# KiCad board 4servoboard-4x4.kicad_pcb (continued)
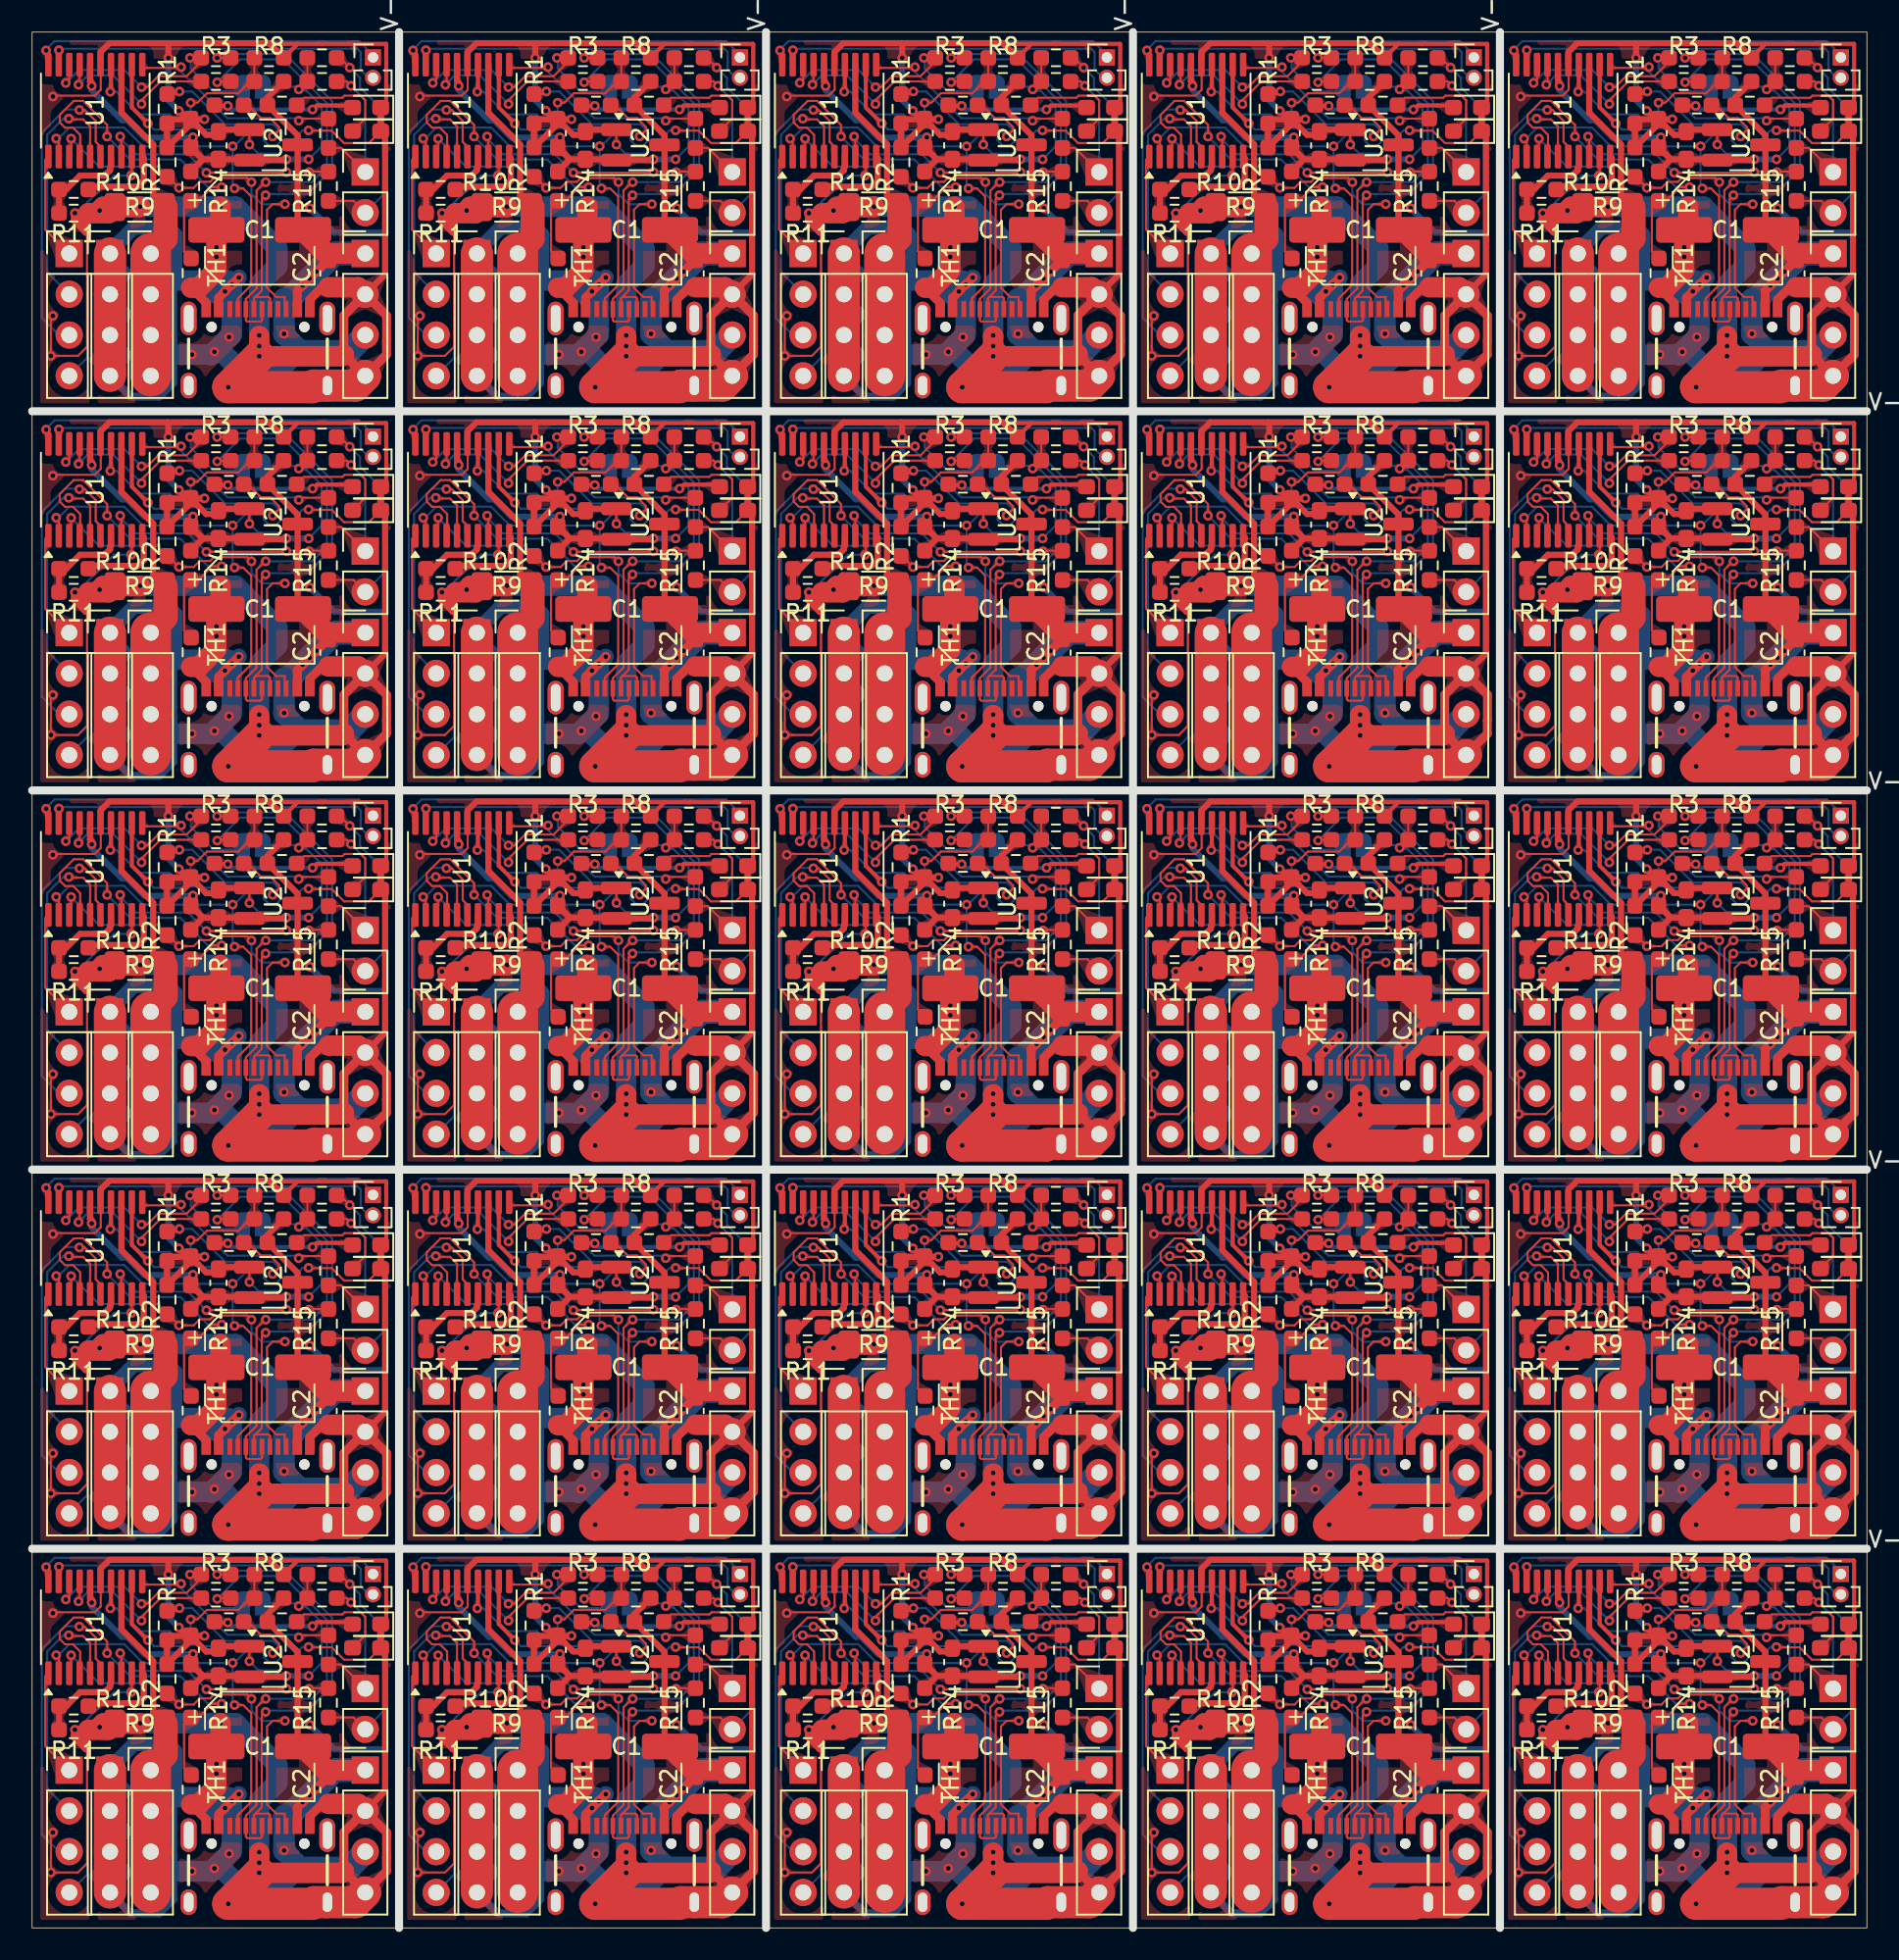
[diagram p0: board, top side]
## Placement (name value [footprint] x y rotation side) (continued)
R12#2  1k  [R_0603_1608Metric_Pad0.98x0.95mm_HandSolder]  63.78 44.17 0 top
R12#3  1k  [R_0603_1608Metric_Pad0.98x0.95mm_HandSolder]  40.92 91.41 0 top
R12#4  1k  [R_0603_1608Metric_Pad0.98x0.95mm_HandSolder]  86.64 44.17 0 top
R12#5  1k  [R_0603_1608Metric_Pad0.98x0.95mm_HandSolder]  109.5 91.41 0 top
R12#6  1k  [R_0603_1608Metric_Pad0.98x0.95mm_HandSolder]  18.06 115.04 0 top
R12#7  1k  [R_0603_1608Metric_Pad0.98x0.95mm_HandSolder]  18.06 20.55 0 top
R12#8  1k  [R_0603_1608Metric_Pad0.98x0.95mm_HandSolder]  40.92 115.04 0 top
R12#9  1k  [R_0603_1608Metric_Pad0.98x0.95mm_HandSolder]  109.5 44.17 0 top
R12#10  1k  [R_0603_1608Metric_Pad0.98x0.95mm_HandSolder]  40.92 67.79 0 top
R12#11  1k  [R_0603_1608Metric_Pad0.98x0.95mm_HandSolder]  86.64 115.04 0 top
R12#12  1k  [R_0603_1608Metric_Pad0.98x0.95mm_HandSolder]  86.64 91.41 0 top
R12#13  1k  [R_0603_1608Metric_Pad0.98x0.95mm_HandSolder]  109.5 67.79 0 top
R12#14  1k  [R_0603_1608Metric_Pad0.98x0.95mm_HandSolder]  18.06 44.17 0 top
R12#15  1k  [R_0603_1608Metric_Pad0.98x0.95mm_HandSolder]  63.78 20.55 0 top
R12#16  1k  [R_0603_1608Metric_Pad0.98x0.95mm_HandSolder]  40.92 20.55 0 top
R12#17  1k  [R_0603_1608Metric_Pad0.98x0.95mm_HandSolder]  109.5 20.55 0 top
R12#18  1k  [R_0603_1608Metric_Pad0.98x0.95mm_HandSolder]  109.5 115.04 0 top
R12#19  1k  [R_0603_1608Metric_Pad0.98x0.95mm_HandSolder]  18.06 91.41 0 top
R12#20  1k  [R_0603_1608Metric_Pad0.98x0.95mm_HandSolder]  63.78 67.79 0 top
R12#21  1k  [R_0603_1608Metric_Pad0.98x0.95mm_HandSolder]  63.78 115.04 0 top
R12#22  1k  [R_0603_1608Metric_Pad0.98x0.95mm_HandSolder]  86.64 67.79 0 top
R12#23  1k  [R_0603_1608Metric_Pad0.98x0.95mm_HandSolder]  86.64 20.55 0 top
R12#24  1k  [R_0603_1608Metric_Pad0.98x0.95mm_HandSolder]  18.06 67.79 0 top
R12#25  1k  [R_0603_1608Metric_Pad0.98x0.95mm_HandSolder]  63.78 91.41 0 top
R13  1k  [R_0603_1608Metric_Pad0.98x0.95mm_HandSolder]  109.5 22.02 0 top
R13#2  1k  [R_0603_1608Metric_Pad0.98x0.95mm_HandSolder]  63.78 92.89 0 top
R13#3  1k  [R_0603_1608Metric_Pad0.98x0.95mm_HandSolder]  86.64 92.89 0 top
R13#4  1k  [R_0603_1608Metric_Pad0.98x0.95mm_HandSolder]  109.5 45.64 0 top
R13#5  1k  [R_0603_1608Metric_Pad0.98x0.95mm_HandSolder]  40.92 69.27 0 top
R13#6  1k  [R_0603_1608Metric_Pad0.98x0.95mm_HandSolder]  86.64 45.64 0 top
R13#7  1k  [R_0603_1608Metric_Pad0.98x0.95mm_HandSolder]  18.06 22.02 0 top
R13#8  1k  [R_0603_1608Metric_Pad0.98x0.95mm_HandSolder]  109.5 92.89 0 top
R13#9  1k  [R_0603_1608Metric_Pad0.98x0.95mm_HandSolder]  40.92 45.64 0 top
R13#10  1k  [R_0603_1608Metric_Pad0.98x0.95mm_HandSolder]  86.64 22.02 0 top
R13#11  1k  [R_0603_1608Metric_Pad0.98x0.95mm_HandSolder]  40.92 116.51 0 top
R13#12  1k  [R_0603_1608Metric_Pad0.98x0.95mm_HandSolder]  109.5 116.51 0 top
R13#13  1k  [R_0603_1608Metric_Pad0.98x0.95mm_HandSolder]  63.78 116.51 0 top
R13#14  1k  [R_0603_1608Metric_Pad0.98x0.95mm_HandSolder]  18.06 92.89 0 top
R13#15  1k  [R_0603_1608Metric_Pad0.98x0.95mm_HandSolder]  109.5 69.27 0 top
R13#16  1k  [R_0603_1608Metric_Pad0.98x0.95mm_HandSolder]  63.78 69.27 0 top
R13#17  1k  [R_0603_1608Metric_Pad0.98x0.95mm_HandSolder]  40.92 92.89 0 top
R13#18  1k  [R_0603_1608Metric_Pad0.98x0.95mm_HandSolder]  63.78 45.64 0 top
R13#19  1k  [R_0603_1608Metric_Pad0.98x0.95mm_HandSolder]  86.64 116.51 0 top
R13#20  1k  [R_0603_1608Metric_Pad0.98x0.95mm_HandSolder]  86.64 69.27 0 top
R13#21  1k  [R_0603_1608Metric_Pad0.98x0.95mm_HandSolder]  40.92 22.02 0 top
R13#22  1k  [R_0603_1608Metric_Pad0.98x0.95mm_HandSolder]  18.06 116.51 0 top
R13#23  1k  [R_0603_1608Metric_Pad0.98x0.95mm_HandSolder]  63.78 22.02 0 top
R13#24  1k  [R_0603_1608Metric_Pad0.98x0.95mm_HandSolder]  18.06 69.27 0 top
R13#25  1k  [R_0603_1608Metric_Pad0.98x0.95mm_HandSolder]  18.06 45.64 0 top
R14  5.1k  [R_0603_1608Metric_Pad0.98x0.95mm_HandSolder]  32.74 84.89 270 top
R14#2  5.1k  [R_0603_1608Metric_Pad0.98x0.95mm_HandSolder]  78.46 108.51 270 top
R14#3  5.1k  [R_0603_1608Metric_Pad0.98x0.95mm_HandSolder]  78.46 84.89 270 top
R14#4  5.1k  [R_0603_1608Metric_Pad0.98x0.95mm_HandSolder]  101.32 108.51 270 top
R14#5  5.1k  [R_0603_1608Metric_Pad0.98x0.95mm_HandSolder]  9.88 37.64 270 top
R14#6  5.1k  [R_0603_1608Metric_Pad0.98x0.95mm_HandSolder]  78.46 37.64 270 top
R14#7  5.1k  [R_0603_1608Metric_Pad0.98x0.95mm_HandSolder]  101.32 84.89 270 top
R14#8  5.1k  [R_0603_1608Metric_Pad0.98x0.95mm_HandSolder]  55.6 14.02 270 top
R14#9  5.1k  [R_0603_1608Metric_Pad0.98x0.95mm_HandSolder]  9.88 61.27 270 top
R14#10  5.1k  [R_0603_1608Metric_Pad0.98x0.95mm_HandSolder]  32.74 14.02 270 top
R14#11  5.1k  [R_0603_1608Metric_Pad0.98x0.95mm_HandSolder]  32.74 108.51 270 top
R14#12  5.1k  [R_0603_1608Metric_Pad0.98x0.95mm_HandSolder]  55.6 37.64 270 top
R14#13  5.1k  [R_0603_1608Metric_Pad0.98x0.95mm_HandSolder]  32.74 37.64 270 top
R14#14  5.1k  [R_0603_1608Metric_Pad0.98x0.95mm_HandSolder]  78.46 61.27 270 top
R14#15  5.1k  [R_0603_1608Metric_Pad0.98x0.95mm_HandSolder]  101.32 37.64 270 top
R14#16  5.1k  [R_0603_1608Metric_Pad0.98x0.95mm_HandSolder]  101.32 61.27 270 top
R14#17  5.1k  [R_0603_1608Metric_Pad0.98x0.95mm_HandSolder]  9.88 84.89 270 top
R14#18  5.1k  [R_0603_1608Metric_Pad0.98x0.95mm_HandSolder]  101.32 14.02 270 top
R14#19  5.1k  [R_0603_1608Metric_Pad0.98x0.95mm_HandSolder]  55.6 108.51 270 top
R14#20  5.1k  [R_0603_1608Metric_Pad0.98x0.95mm_HandSolder]  32.74 61.27 270 top
R14#21  5.1k  [R_0603_1608Metric_Pad0.98x0.95mm_HandSolder]  55.6 61.27 270 top
R14#22  5.1k  [R_0603_1608Metric_Pad0.98x0.95mm_HandSolder]  9.88 14.02 270 top
R14#23  5.1k  [R_0603_1608Metric_Pad0.98x0.95mm_HandSolder]  55.6 84.89 270 top
R14#24  5.1k  [R_0603_1608Metric_Pad0.98x0.95mm_HandSolder]  9.88 108.51 270 top
R14#25  5.1k  [R_0603_1608Metric_Pad0.98x0.95mm_HandSolder]  78.46 14.02 270 top
R15  1k  [R_0603_1608Metric_Pad0.98x0.95mm_HandSolder]  87.05 108.51 90 top
R15#2  1k  [R_0603_1608Metric_Pad0.98x0.95mm_HandSolder]  87.05 37.64 90 top
R15#3  1k  [R_0603_1608Metric_Pad0.98x0.95mm_HandSolder]  109.91 61.27 90 top
R15#4  1k  [R_0603_1608Metric_Pad0.98x0.95mm_HandSolder]  87.05 84.89 90 top
R15#5  1k  [R_0603_1608Metric_Pad0.98x0.95mm_HandSolder]  64.19 37.64 90 top
R15#6  1k  [R_0603_1608Metric_Pad0.98x0.95mm_HandSolder]  41.33 37.64 90 top
R15#7  1k  [R_0603_1608Metric_Pad0.98x0.95mm_HandSolder]  87.05 61.27 90 top
R15#8  1k  [R_0603_1608Metric_Pad0.98x0.95mm_HandSolder]  18.47 37.64 90 top
R15#9  1k  [R_0603_1608Metric_Pad0.98x0.95mm_HandSolder]  41.33 84.89 90 top
R15#10  1k  [R_0603_1608Metric_Pad0.98x0.95mm_HandSolder]  64.19 61.27 90 top
R15#11  1k  [R_0603_1608Metric_Pad0.98x0.95mm_HandSolder]  64.19 14.02 90 top
R15#12  1k  [R_0603_1608Metric_Pad0.98x0.95mm_HandSolder]  41.33 108.51 90 top
R15#13  1k  [R_0603_1608Metric_Pad0.98x0.95mm_HandSolder]  109.91 108.51 90 top
R15#14  1k  [R_0603_1608Metric_Pad0.98x0.95mm_HandSolder]  41.33 61.27 90 top
R15#15  1k  [R_0603_1608Metric_Pad0.98x0.95mm_HandSolder]  41.33 14.02 90 top
R15#16  1k  [R_0603_1608Metric_Pad0.98x0.95mm_HandSolder]  109.91 14.02 90 top
R15#17  1k  [R_0603_1608Metric_Pad0.98x0.95mm_HandSolder]  18.47 84.89 90 top
R15#18  1k  [R_0603_1608Metric_Pad0.98x0.95mm_HandSolder]  64.19 84.89 90 top
R15#19  1k  [R_0603_1608Metric_Pad0.98x0.95mm_HandSolder]  18.47 61.27 90 top
R15#20  1k  [R_0603_1608Metric_Pad0.98x0.95mm_HandSolder]  64.19 108.51 90 top
R15#21  1k  [R_0603_1608Metric_Pad0.98x0.95mm_HandSolder]  87.05 14.02 90 top
R15#22  1k  [R_0603_1608Metric_Pad0.98x0.95mm_HandSolder]  18.47 14.02 90 top
R15#23  1k  [R_0603_1608Metric_Pad0.98x0.95mm_HandSolder]  18.47 108.51 90 top
R15#24  1k  [R_0603_1608Metric_Pad0.98x0.95mm_HandSolder]  109.91 84.89 90 top
R15#25  1k  [R_0603_1608Metric_Pad0.98x0.95mm_HandSolder]  109.91 37.64 90 top
R16  1k  [R_0603_1608Metric_Pad0.98x0.95mm_HandSolder]  87.05 88.19 90 top
R16#2  1k  [R_0603_1608Metric_Pad0.98x0.95mm_HandSolder]  87.05 111.81 90 top
R16#3  1k  [R_0603_1608Metric_Pad0.98x0.95mm_HandSolder]  87.05 17.32 90 top
R16#4  1k  [R_0603_1608Metric_Pad0.98x0.95mm_HandSolder]  18.47 40.94 90 top
R16#5  1k  [R_0603_1608Metric_Pad0.98x0.95mm_HandSolder]  18.47 64.56 90 top
R16#6  1k  [R_0603_1608Metric_Pad0.98x0.95mm_HandSolder]  18.47 17.32 90 top
R16#7  1k  [R_0603_1608Metric_Pad0.98x0.95mm_HandSolder]  109.91 17.32 90 top
R16#8  1k  [R_0603_1608Metric_Pad0.98x0.95mm_HandSolder]  18.47 111.81 90 top
R16#9  1k  [R_0603_1608Metric_Pad0.98x0.95mm_HandSolder]  41.33 40.94 90 top
R16#10  1k  [R_0603_1608Metric_Pad0.98x0.95mm_HandSolder]  41.33 111.81 90 top
R16#11  1k  [R_0603_1608Metric_Pad0.98x0.95mm_HandSolder]  18.47 88.19 90 top
R16#12  1k  [R_0603_1608Metric_Pad0.98x0.95mm_HandSolder]  41.33 64.56 90 top
R16#13  1k  [R_0603_1608Metric_Pad0.98x0.95mm_HandSolder]  109.91 40.94 90 top
R16#14  1k  [R_0603_1608Metric_Pad0.98x0.95mm_HandSolder]  64.19 111.81 90 top
R16#15  1k  [R_0603_1608Metric_Pad0.98x0.95mm_HandSolder]  64.19 64.56 90 top
R16#16  1k  [R_0603_1608Metric_Pad0.98x0.95mm_HandSolder]  109.91 88.19 90 top
R16#17  1k  [R_0603_1608Metric_Pad0.98x0.95mm_HandSolder]  87.05 40.94 90 top
R16#18  1k  [R_0603_1608Metric_Pad0.98x0.95mm_HandSolder]  41.33 17.32 90 top
R16#19  1k  [R_0603_1608Metric_Pad0.98x0.95mm_HandSolder]  64.19 17.32 90 top
R16#20  1k  [R_0603_1608Metric_Pad0.98x0.95mm_HandSolder]  87.05 64.56 90 top
R16#21  1k  [R_0603_1608Metric_Pad0.98x0.95mm_HandSolder]  64.19 88.19 90 top
R16#22  1k  [R_0603_1608Metric_Pad0.98x0.95mm_HandSolder]  109.91 64.56 90 top
R16#23  1k  [R_0603_1608Metric_Pad0.98x0.95mm_HandSolder]  41.33 88.19 90 top
R16#24  1k  [R_0603_1608Metric_Pad0.98x0.95mm_HandSolder]  109.91 111.81 90 top
R16#25  1k  [R_0603_1608Metric_Pad0.98x0.95mm_HandSolder]  64.19 40.94 90 top
TH1  Thermistor_NTC  [R_0603_1608Metric_Pad0.98x0.95mm_HandSolder]  78.49 8.61 270 top
TH1#2  Thermistor_NTC  [R_0603_1608Metric_Pad0.98x0.95mm_HandSolder]  9.91 55.85 270 top
TH1#3  Thermistor_NTC  [R_0603_1608Metric_Pad0.98x0.95mm_HandSolder]  9.91 79.47 270 top
TH1#4  Thermistor_NTC  [R_0603_1608Metric_Pad0.98x0.95mm_HandSolder]  32.77 32.23 270 top
TH1#5  Thermistor_NTC  [R_0603_1608Metric_Pad0.98x0.95mm_HandSolder]  55.63 79.47 270 top
TH1#6  Thermistor_NTC  [R_0603_1608Metric_Pad0.98x0.95mm_HandSolder]  55.63 32.23 270 top
TH1#7  Thermistor_NTC  [R_0603_1608Metric_Pad0.98x0.95mm_HandSolder]  101.35 103.1 270 top
TH1#8  Thermistor_NTC  [R_0603_1608Metric_Pad0.98x0.95mm_HandSolder]  9.91 103.1 270 top
TH1#9  Thermistor_NTC  [R_0603_1608Metric_Pad0.98x0.95mm_HandSolder]  32.77 79.47 270 top
TH1#10  Thermistor_NTC  [R_0603_1608Metric_Pad0.98x0.95mm_HandSolder]  101.35 55.85 270 top
TH1#11  Thermistor_NTC  [R_0603_1608Metric_Pad0.98x0.95mm_HandSolder]  32.77 8.61 270 top
TH1#12  Thermistor_NTC  [R_0603_1608Metric_Pad0.98x0.95mm_HandSolder]  78.49 79.47 270 top
TH1#13  Thermistor_NTC  [R_0603_1608Metric_Pad0.98x0.95mm_HandSolder]  55.63 55.85 270 top
TH1#14  Thermistor_NTC  [R_0603_1608Metric_Pad0.98x0.95mm_HandSolder]  101.35 32.23 270 top
TH1#15  Thermistor_NTC  [R_0603_1608Metric_Pad0.98x0.95mm_HandSolder]  32.77 55.85 270 top
TH1#16  Thermistor_NTC  [R_0603_1608Metric_Pad0.98x0.95mm_HandSolder]  78.49 103.1 270 top
TH1#17  Thermistor_NTC  [R_0603_1608Metric_Pad0.98x0.95mm_HandSolder]  101.35 79.47 270 top
TH1#18  Thermistor_NTC  [R_0603_1608Metric_Pad0.98x0.95mm_HandSolder]  55.63 103.1 270 top
TH1#19  Thermistor_NTC  [R_0603_1608Metric_Pad0.98x0.95mm_HandSolder]  32.77 103.1 270 top
TH1#20  Thermistor_NTC  [R_0603_1608Metric_Pad0.98x0.95mm_HandSolder]  9.91 32.23 270 top
TH1#21  Thermistor_NTC  [R_0603_1608Metric_Pad0.98x0.95mm_HandSolder]  78.49 55.85 270 top
TH1#22  Thermistor_NTC  [R_0603_1608Metric_Pad0.98x0.95mm_HandSolder]  101.35 8.61 270 top
TH1#23  Thermistor_NTC  [R_0603_1608Metric_Pad0.98x0.95mm_HandSolder]  9.91 8.61 270 top
TH1#24  Thermistor_NTC  [R_0603_1608Metric_Pad0.98x0.95mm_HandSolder]  78.49 32.23 270 top
TH1#25  Thermistor_NTC  [R_0603_1608Metric_Pad0.98x0.95mm_HandSolder]  55.63 8.61 270 top
U1  CH32X035F7P6  [TSSOP-20_4.4x6.5mm_P0.65mm]  26.8 89.6 90 top
U1#2  CH32X035F7P6  [TSSOP-20_4.4x6.5mm_P0.65mm]  72.52 18.73 90 top
U1#3  CH32X035F7P6  [TSSOP-20_4.4x6.5mm_P0.65mm]  72.52 65.97 90 top
U1#4  CH32X035F7P6  [TSSOP-20_4.4x6.5mm_P0.65mm]  95.38 18.73 90 top
U1#5  CH32X035F7P6  [TSSOP-20_4.4x6.5mm_P0.65mm]  95.38 89.6 90 top
U1#6  CH32X035F7P6  [TSSOP-20_4.4x6.5mm_P0.65mm]  3.94 65.97 90 top
U1#7  CH32X035F7P6  [TSSOP-20_4.4x6.5mm_P0.65mm]  3.94 89.6 90 top
U1#8  CH32X035F7P6  [TSSOP-20_4.4x6.5mm_P0.65mm]  3.94 42.35 90 top
U1#9  CH32X035F7P6  [TSSOP-20_4.4x6.5mm_P0.65mm]  49.66 18.73 90 top
U1#10  CH32X035F7P6  [TSSOP-20_4.4x6.5mm_P0.65mm]  49.66 89.6 90 top
U1#11  CH32X035F7P6  [TSSOP-20_4.4x6.5mm_P0.65mm]  95.38 65.97 90 top
U1#12  CH32X035F7P6  [TSSOP-20_4.4x6.5mm_P0.65mm]  95.38 42.35 90 top
U1#13  CH32X035F7P6  [TSSOP-20_4.4x6.5mm_P0.65mm]  95.38 113.22 90 top
U1#14  CH32X035F7P6  [TSSOP-20_4.4x6.5mm_P0.65mm]  26.8 65.97 90 top
U1#15  CH32X035F7P6  [TSSOP-20_4.4x6.5mm_P0.65mm]  3.94 18.73 90 top
U1#16  CH32X035F7P6  [TSSOP-20_4.4x6.5mm_P0.65mm]  72.52 113.22 90 top
U1#17  CH32X035F7P6  [TSSOP-20_4.4x6.5mm_P0.65mm]  72.52 42.35 90 top
U1#18  CH32X035F7P6  [TSSOP-20_4.4x6.5mm_P0.65mm]  72.52 89.6 90 top
U1#19  CH32X035F7P6  [TSSOP-20_4.4x6.5mm_P0.65mm]  26.8 18.73 90 top
U1#20  CH32X035F7P6  [TSSOP-20_4.4x6.5mm_P0.65mm]  3.94 113.22 90 top
U1#21  CH32X035F7P6  [TSSOP-20_4.4x6.5mm_P0.65mm]  49.66 113.22 90 top
U1#22  CH32X035F7P6  [TSSOP-20_4.4x6.5mm_P0.65mm]  49.66 42.35 90 top
U1#23  CH32X035F7P6  [TSSOP-20_4.4x6.5mm_P0.65mm]  26.8 42.35 90 top
U1#24  CH32X035F7P6  [TSSOP-20_4.4x6.5mm_P0.65mm]  26.8 113.22 90 top
U1#25  CH32X035F7P6  [TSSOP-20_4.4x6.5mm_P0.65mm]  49.66 65.97 90 top
U2  XC6206P332MR  [SOT-23_Handsoldering]  15.04 87.46 0 top
U2#2  XC6206P332MR  [SOT-23_Handsoldering]  15.04 40.22 0 top
U2#3  XC6206P332MR  [SOT-23_Handsoldering]  106.48 16.6 0 top
U2#4  XC6206P332MR  [SOT-23_Handsoldering]  83.62 87.46 0 top
U2#5  XC6206P332MR  [SOT-23_Handsoldering]  37.9 63.84 0 top
U2#6  XC6206P332MR  [SOT-23_Handsoldering]  37.9 16.6 0 top
U2#7  XC6206P332MR  [SOT-23_Handsoldering]  37.9 111.08 0 top
U2#8  XC6206P332MR  [SOT-23_Handsoldering]  106.48 63.84 0 top
U2#9  XC6206P332MR  [SOT-23_Handsoldering]  15.04 63.84 0 top
U2#10  XC6206P332MR  [SOT-23_Handsoldering]  60.76 87.46 0 top
U2#11  XC6206P332MR  [SOT-23_Handsoldering]  83.62 40.22 0 top
U2#12  XC6206P332MR  [SOT-23_Handsoldering]  106.48 87.46 0 top
U2#13  XC6206P332MR  [SOT-23_Handsoldering]  83.62 63.84 0 top
U2#14  XC6206P332MR  [SOT-23_Handsoldering]  37.9 40.22 0 top
U2#15  XC6206P332MR  [SOT-23_Handsoldering]  15.04 111.08 0 top
U2#16  XC6206P332MR  [SOT-23_Handsoldering]  83.62 111.08 0 top
U2#17  XC6206P332MR  [SOT-23_Handsoldering]  60.76 111.08 0 top
U2#18  XC6206P332MR  [SOT-23_Handsoldering]  60.76 63.84 0 top
U2#19  XC6206P332MR  [SOT-23_Handsoldering]  37.9 87.46 0 top
U2#20  XC6206P332MR  [SOT-23_Handsoldering]  106.48 111.08 0 top
U2#21  XC6206P332MR  [SOT-23_Handsoldering]  60.76 16.6 0 top
U2#22  XC6206P332MR  [SOT-23_Handsoldering]  106.48 40.22 0 top
U2#23  XC6206P332MR  [SOT-23_Handsoldering]  15.04 16.6 0 top
U2#24  XC6206P332MR  [SOT-23_Handsoldering]  60.76 40.22 0 top
U2#25  XC6206P332MR  [SOT-23_Handsoldering]  83.62 16.6 0 top

## Library data of the parts
C1 C1#2-C1#25 C2 C2#2-C2#25 C3 C3#2-C3#25 C4 C4#2-C4#25 = -: Description: capacitor, non-polarized/bipolar; Indicator: +; Rating: V
D1 D1#2-D1#19 D1#21-D1#25 D2 D2#2-D2#21 D2#23-D2#25 = -: Description: Light emitting diode; Sim.Pins: 1=K 2=A
D1#20 D2#22 = -: Description: Light emitting diode; Sim.Pins: 1=K 2=A; ki_fp_filters: LED* LED_SMD:* LED_THT:*
J1 J1#2-J1#20 J1#22-J1#25 = -: Datasheet: https://www.usb.org/sites/default/files/documents/usb_type-c.zip; Description: USB 2.0-only Type-C Receptacle connector; PROD_ID: CONN-14122
J1#21 = -: Datasheet: https://www.usb.org/sites/default/files/documents/usb_type-c.zip; Description: USB 2.0-only Type-C Receptacle connector; PROD_ID: CONN-14122; ki_fp_filters: USB*C*Receptacle*
J2 J2#2-J2#24 J4 J4#2-J4#8 J4#10-J4#25 J5 J5#2-J5#22 J5#24 J5#25 J6 J6#2-J6#24 = -: Description: Generic connector, single row, 01x04, script generated
J2#25 J4#9 J5#23 J6#25 = -: Description: Generic connector, single row, 01x04, script generated; ki_fp_filters: Connector*:*_1x??_*
J3 J3#2-J3#23 J3#25 J7 J7#2-J7#9 J7#11-J7#25 = -: Description: Generic connector, single row, 01x02, script generated
J3#24 J7#10 = -: Description: Generic connector, single row, 01x02, script generated; ki_fp_filters: Connector*:*_1x??_*
JP1 JP1#2-JP1#8 JP1#10-JP1#25 = -: Description: Solder Jumper, 2-pole, open
JP1#9 = -: Description: Solder Jumper, 2-pole, open; ki_fp_filters: SolderJumper*Open*
R1 R1#2-R1#12 R1#14-R1#25 R2 R2#2-R2#14 R2#16-R2#25 R3 R3#2-R3#5 R3#7-R3#25 R4 R4#2-R4#9 R4#11-R4#25 R5 R5#2-R5#19 R5#21-R5#25 R6 R6#2-R6#10 R6#12-R6#25 R7 R7#2-R7#10 R7#12-R7#25 R8 R8#2-R8#22 R8#24 R8#25 R9 R9#2 R9#4-R9#25 R10 R10#2 R10#3 R10#5-R10#25 R11 R11#2-R11#24 R12 R12#2-R12#16 R12#18-R12#25 R13#2-R13#25 R14 R14#2-R14#17 R14#19-R14#25 R15 R15#2-R15#15 R15#17-R15#25 R16 R16#2-R16#6 R16#8-R16#25 = -: Description: 1/4W Resistor
R1#13 R2#15 R3#6 R4#10 R5#20 R6#11 R7#11 R8#23 R9#3 R10#4 R11#25 R12#17 R13 R14#18 R15#16 R16#7 = -: Description: 1/4W Resistor; ki_fp_filters: Resistor_THT:R_Axial_DIN0207_L6.3mm_D2.5mm*
TH1 TH1#2-TH1#21 TH1#23-TH1#25 = -: Description: Temperature dependent resistor, negative temperature coefficient
TH1#22 = -: Description: Temperature dependent resistor, negative temperature coefficient; ki_fp_filters: *NTC* *Thermistor* PIN?ARRAY* bornier* *Terminal?Block* R_*
U1 U1#2-U1#25 = -: Datasheet: https://www.wch-ic.com/downloads/CH32X035DS0_PDF.html; Description: CH32X035 is an industrial-grade microcontroller based on the QingKe RISC-V core. CH32X035 has built-in USB and PD PHY, supports USB Host and USB Device functions, PDUSB and Type-C fast charging functions, built-in programmable protocol I/O controller, provides 2 groups of OPA, 3 groups of CMP, 4 groups of USART, I2C, SPI, multiple timers, 12-bit ADC, 14-channel touch-key and other rich peripheral resources.
U2 U2#2 U2#4-U2#25 = -: Datasheet: https://www.torexsemi.com/file/xc6206/XC6206.pdf; Description: Positive 60-250mA Low Dropout Regulator, Fixed Output, SOT-23
U2#3 = -: Datasheet: https://www.torexsemi.com/file/xc6206/XC6206.pdf; Description: Positive 60-250mA Low Dropout Regulator, Fixed Output, SOT-23; ki_fp_filters: SOT?23?3*

## Footprints (pads in the part's own frame, mm; a bottom-side part is the same pattern mirrored in y, then rotated)
C_0603_1608Metric_Pad1.08x0.95mm_HandSolder
  rrect 1.075x0.95 smd: 1(-0.863,0) 2(0.863,0)
CP_Elec_6.3x7.7
  rrect 3.5x1.6 smd: 1(-2.7,0) 2(2.7,0)
LED_0603_1608Metric_Pad1.05x0.95mm_HandSolder
  rrect 1.05x0.95 smd: 1(-0.875,0) 2(0.875,0)
PinHeader_1x02_P1.27mm_Vertical
  rect 1x1 hole 0.65: 1(0,0)
  round 1 hole 0.65: 2(0,-1.27)
PinHeader_1x02_P2.54mm_Vertical
  rect 1.7x1.7 hole 1: 1(0,0)
  round 1.7 hole 1: 2(0,-2.54)
PinHeader_1x04_P2.54mm_Vertical
  rect 1.7x1.7 hole 1: 1(0,0)
  round 1.7 hole 1: 2(0,-2.54) 3(0,-5.08) 4(0,-7.62)
R_0603_1608Metric_Pad0.98x0.95mm_HandSolder
  rrect 0.975x0.95 smd: 1(-0.912,0) 2(0.912,0)
R_1206_3216Metric_Pad1.30x1.75mm_HandSolder
  rrect 1.3x1.75 smd: 1(-1.55,0) 2(1.55,0)
SolderJumper-2_P1.3mm_Open_RoundedPad1.0x1.5mm
  custom 1x1.5 smd: 1(-0.65,0) 2(0.65,0)
SOT-23_Handsoldering
  rrect 1.9x0.8 smd: 1(-1.5,0.95) 2(-1.5,-0.95) 3(1.5,0)
TSSOP-20_4.4x6.5mm_P0.65mm
  rrect 1.475x0.4 smd: 1(-2.862,2.925) 2(-2.862,2.275) 3(-2.862,1.625) 4(-2.862,0.975) 5(-2.862,0.325) 6(-2.862,-0.325) 7(-2.862,-0.975) 8(-2.862,-1.625) 9(-2.862,-2.275) 10(-2.862,-2.925) 11(2.862,-2.925) 12(2.862,-2.275) 13(2.862,-1.625) 14(2.862,-0.975) 15(2.862,-0.325) 16(2.862,0.325) 17(2.862,0.975) 18(2.862,1.625) 19(2.862,2.275) 20(2.862,2.925)
USB-C_16
  round 0.65 hole 0.65 unplated: (-2.89,-1.445) (2.89,-1.445)
  rect 0.3x1 smd: A5(-1.25,-0.34) A6(-0.25,-0.34) A7(0.25,-0.34) A8(1.25,-0.34) B5(1.75,-0.34) B6(0.75,-0.34) B7(-0.75,-0.34) B8(-1.75,-0.34)
  rect 0.6x1 smd: GND(-3.225,-0.34) GND(3.225,-0.34) VBUS(-2.45,-0.34) VBUS(2.45,-0.34)
  oval 1x1.6 hole 0.6x1.2: NC1(-4.318,-5.095) S(4.318,-5.095)
  oval 1x2.1 hole 0.6x1.7: NC2(-4.318,-0.915) NC3(4.318,-0.915)

## Nets
GND: C1.1 C1#2.1 C1#3.1 C1#4.1 C1#5.1 C1#6.1 C1#7.1 C1#8.1 C1#9.1 C1#10.1 C1#11.1 C1#12.1 C1#13.1 C1#14.1 C1#15.1 C1#16.1 C1#17.1 C1#18.1 C1#19.1 C1#20.1 C1#21.1 C1#22.1 C1#23.1 C1#24.1 C1#25.1 C2.1 C2#2.1 C2#3.1 C2#4.1 C2#5.1 C2#6.1 C2#7.1 C2#8.1 C2#9.1 C2#10.1 C2#11.1 C2#12.1 C2#13.1 C2#14.1 C2#15.1 C2#16.1 C2#17.1 C2#18.1 C2#19.1 C2#20.1 C2#21.1 C2#22.1 C2#23.1 C2#24.1 C2#25.1 C3.2 C3#2.2 C3#3.2 C3#4.2 C3#5.2 C3#6.2 C3#7.2 C3#8.2 C3#9.2 C3#10.2 C3#11.2 C3#12.2 C3#13.2 C3#14.2 C3#15.2 C3#16.2 C3#17.2 C3#18.2 C3#19.2 C3#20.2 C3#21.2 C3#22.2 C3#23.2 C3#24.2 C3#25.2 C4.2 C4#2.2 C4#3.2 C4#4.2 C4#5.2 C4#6.2 C4#7.2 C4#8.2 C4#9.2 C4#10.2 C4#11.2 C4#12.2 C4#13.2 C4#14.2 C4#15.2 C4#16.2 C4#17.2 C4#18.2 C4#19.2 C4#20.2 C4#21.2 C4#22.2 C4#23.2 C4#24.2 C4#25.2 D1.1 D1#2.1 D1#3.1 D1#4.1 D1#5.1 D1#6.1 D1#7.1 D1#8.1 D1#9.1 D1#10.1 D1#11.1 D1#12.1 D1#13.1 D1#14.1 D1#15.1 D1#16.1 D1#17.1 D1#18.1 D1#19.1 D1#20.1 D1#21.1 D1#22.1 D1#23.1 D1#24.1 D1#25.1 D2.1 D2#2.1 D2#3.1 D2#4.1 D2#5.1 D2#6.1 D2#7.1 D2#8.1 D2#9.1 D2#10.1 D2#11.1 D2#12.1 D2#13.1 D2#14.1 D2#15.1 D2#16.1 D2#17.1 D2#18.1 D2#19.1 D2#20.1 D2#21.1 D2#22.1 D2#23.1 D2#24.1 D2#25.1 J1.GND J1.S J1#2.GND J1#2.S J1#3.GND J1#3.S J1#4.GND J1#4.S J1#5.GND J1#5.S J1#6.GND J1#6.S J1#7.GND J1#7.S J1#8.GND J1#8.S J1#9.GND J1#9.S J1#10.GND J1#10.S J1#11.GND J1#11.S J1#12.GND J1#12.S J1#13.GND J1#13.S J1#14.GND J1#14.S J1#15.GND J1#15.S J1#16.GND J1#16.S J1#17.GND J1#17.S J1#18.GND J1#18.S J1#19.GND J1#19.S J1#20.GND J1#20.S J1#21.GND J1#21.S J1#22.GND J1#22.S J1#23.GND J1#23.S J1#24.GND J1#24.S J1#25.GND J1#25.S J6.2 J6.4 J6#2.2 J6#2.4 J6#3.2 J6#3.4 J6#4.2 J6#4.4 J6#5.2 J6#5.4 J6#6.2 J6#6.4 J6#7.2 J6#7.4 J6#8.2 J6#8.4 J6#9.2 J6#9.4 J6#10.2 J6#10.4 J6#11.2 J6#11.4 J6#12.2 J6#12.4 J6#13.2 J6#13.4 J6#14.2 J6#14.4 J6#15.2 J6#15.4 J6#16.2 J6#16.4 J6#17.2 J6#17.4 J6#18.2 J6#18.4 J6#19.2 J6#19.4 J6#20.2 J6#20.4 J6#21.2 J6#21.4 J6#22.2 J6#22.4 J6#23.2 J6#23.4 J6#24.2 J6#24.4 J6#25.2 J6#25.4 R1.1 R1#2.1 R1#3.1 R1#4.1 R1#5.1 R1#6.1 R1#7.1 R1#8.1 R1#9.1 R1#10.1 R1#11.1 R1#12.1 R1#13.1 R1#14.1 R1#15.1 R1#16.1 R1#17.1 R1#18.1 R1#19.1 R1#20.1 R1#21.1 R1#22.1 R1#23.1 R1#24.1 R1#25.1 R2.1 R2#2.1 R2#3.1 R2#4.1 R2#5.1 R2#6.1 R2#7.1 R2#8.1 R2#9.1 R2#10.1 R2#11.1 R2#12.1 R2#13.1 R2#14.1 R2#15.1 R2#16.1 R2#17.1 R2#18.1 R2#19.1 R2#20.1 R2#21.1 R2#22.1 R2#23.1 R2#24.1 R2#25.1 R8.2 R8#2.2 R8#3.2 R8#4.2 R8#5.2 R8#6.2 R8#7.2 R8#8.2 R8#9.2 R8#10.2 R8#11.2 R8#12.2 R8#13.2 R8#14.2 R8#15.2 R8#16.2 R8#17.2 R8#18.2 R8#19.2 R8#20.2 R8#21.2 R8#22.2 R8#23.2 R8#24.2 R8#25.2 R9.2 R9#2.2 R9#3.2 R9#4.2 R9#5.2 R9#6.2 R9#7.2 R9#8.2 R9#9.2 R9#10.2 R9#11.2 R9#12.2 R9#13.2 R9#14.2 R9#15.2 R9#16.2 R9#17.2 R9#18.2 R9#19.2 R9#20.2 R9#21.2 R9#22.2 R9#23.2 R9#24.2 R9#25.2 R11.2 R11#2.2 R11#3.2 R11#4.2 R11#5.2 R11#6.2 R11#7.2 R11#8.2 R11#9.2 R11#10.2 R11#11.2 R11#12.2 R11#13.2 R11#14.2 R11#15.2 R11#16.2 R11#17.2 R11#18.2 R11#19.2 R11#20.2 R11#21.2 R11#22.2 R11#23.2 R11#24.2 R11#25.2 TH1.2 TH1#2.2 TH1#3.2 TH1#4.2 TH1#5.2 TH1#6.2 TH1#7.2 TH1#8.2 TH1#9.2 TH1#10.2 TH1#11.2 TH1#12.2 TH1#13.2 TH1#14.2 TH1#15.2 TH1#16.2 TH1#17.2 TH1#18.2 TH1#19.2 TH1#20.2 TH1#21.2 TH1#22.2 TH1#23.2 TH1#24.2 TH1#25.2 U1.15 U1#2.15 U1#3.15 U1#4.15 U1#5.15 U1#6.15 U1#7.15 U1#8.15 U1#9.15 U1#10.15 U1#11.15 U1#12.15 U1#13.15 U1#14.15 U1#15.15 U1#16.15 U1#17.15 U1#18.15 U1#19.15 U1#20.15 U1#21.15 U1#22.15 U1#23.15 U1#24.15 U1#25.15 U2.1 U2#2.1 U2#3.1 U2#4.1 U2#5.1 U2#6.1 U2#7.1 U2#8.1 U2#9.1 U2#10.1 U2#11.1 U2#12.1 U2#13.1 U2#14.1 U2#15.1 U2#16.1 U2#17.1 U2#18.1 U2#19.1 U2#20.1 U2#21.1 U2#22.1 U2#23.1 U2#24.1 U2#25.1
VBUS: C1.2 C1#2.2 C1#3.2 C1#4.2 C1#5.2 C1#6.2 C1#7.2 C1#8.2 C1#9.2 C1#10.2 C1#11.2 C1#12.2 C1#13.2 C1#14.2 C1#15.2 C1#16.2 C1#17.2 C1#18.2 C1#19.2 C1#20.2 C1#21.2 C1#22.2 C1#23.2 C1#24.2 C1#25.2 C2.2 C2#2.2 C2#3.2 C2#4.2 C2#5.2 C2#6.2 C2#7.2 C2#8.2 C2#9.2 C2#10.2 C2#11.2 C2#12.2 C2#13.2 C2#14.2 C2#15.2 C2#16.2 C2#17.2 C2#18.2 C2#19.2 C2#20.2 C2#21.2 C2#22.2 C2#23.2 C2#24.2 C2#25.2 J1.VBUS J1#2.VBUS J1#3.VBUS J1#4.VBUS J1#5.VBUS J1#6.VBUS J1#7.VBUS J1#8.VBUS J1#9.VBUS J1#10.VBUS J1#11.VBUS J1#12.VBUS J1#13.VBUS J1#14.VBUS J1#15.VBUS J1#16.VBUS J1#17.VBUS J1#18.VBUS J1#19.VBUS J1#20.VBUS J1#21.VBUS J1#22.VBUS J1#23.VBUS J1#24.VBUS J1#25.VBUS J5.1 J5.2 J5.3 J5.4 J5#2.1 J5#2.2 J5#2.3 J5#2.4 J5#3.1 J5#3.2 J5#3.3 J5#3.4 J5#4.1 J5#4.2 J5#4.3 J5#4.4 J5#5.1 J5#5.2 J5#5.3 J5#5.4 J5#6.1 J5#6.2 J5#6.3 J5#6.4 J5#7.1 J5#7.2 J5#7.3 J5#7.4 J5#8.1 J5#8.2 J5#8.3 J5#8.4 J5#9.1 J5#9.2 J5#9.3 J5#9.4 J5#10.1 J5#10.2 J5#10.3 J5#10.4 J5#11.1 J5#11.2 J5#11.3 J5#11.4 J5#12.1 J5#12.2 J5#12.3 J5#12.4 J5#13.1 J5#13.2 J5#13.3 J5#13.4 J5#14.1 J5#14.2 J5#14.3 J5#14.4 J5#15.1 J5#15.2 J5#15.3 J5#15.4 J5#16.1 J5#16.2 J5#16.3 J5#16.4 J5#17.1 J5#17.2 J5#17.3 J5#17.4 J5#18.1 J5#18.2 J5#18.3 J5#18.4 J5#19.1 J5#19.2 J5#19.3 J5#19.4 J5#20.1 J5#20.2 J5#20.3 J5#20.4 J5#21.1 J5#21.2 J5#21.3 J5#21.4 J5#22.1 J5#22.2 J5#22.3 J5#22.4 J5#23.1 J5#23.2 J5#23.3 J5#23.4 J5#24.1 J5#24.2 J5#24.3 J5#24.4 J5#25.1 J5#25.2 J5#25.3 J5#25.4 J6.1 J6.3 J6#2.1 J6#2.3 J6#3.1 J6#3.3 J6#4.1 J6#4.3 J6#5.1 J6#5.3 J6#6.1 J6#6.3 J6#7.1 J6#7.3 J6#8.1 J6#8.3 J6#9.1 J6#9.3 J6#10.1 J6#10.3 J6#11.1 J6#11.3 J6#12.1 J6#12.3 J6#13.1 J6#13.3 J6#14.1 J6#14.3 J6#15.1 J6#15.3 J6#16.1 J6#16.3 J6#17.1 J6#17.3 J6#18.1 J6#18.3 J6#19.1 J6#19.3 J6#20.1 J6#20.3 J6#21.1 J6#21.3 J6#22.1 J6#22.3 J6#23.1 J6#23.3 J6#24.1 J6#24.3 J6#25.1 J6#25.3 R5.2 R5#2.2 R5#3.2 R5#4.2 R5#5.2 R5#6.2 R5#7.2 R5#8.2 R5#9.2 R5#10.2 R5#11.2 R5#12.2 R5#13.2 R5#14.2 R5#15.2 R5#16.2 R5#17.2 R5#18.2 R5#19.2 R5#20.2 R5#21.2 R5#22.2 R5#23.2 R5#24.2 R5#25.2 R7.1 R7#2.1 R7#3.1 R7#4.1 R7#5.1 R7#6.1 R7#7.1 R7#8.1 R7#9.1 R7#10.1 R7#11.1 R7#12.1 R7#13.1 R7#14.1 R7#15.1 R7#16.1 R7#17.1 R7#18.1 R7#19.1 R7#20.1 R7#21.1 R7#22.1 R7#23.1 R7#24.1 R7#25.1 U2.3 U2#2.3 U2#3.3 U2#4.3 U2#5.3 U2#6.3 U2#7.3 U2#8.3 U2#9.3 U2#10.3 U2#11.3 U2#12.3 U2#13.3 U2#14.3 U2#15.3 U2#16.3 U2#17.3 U2#18.3 U2#19.3 U2#20.3 U2#21.3 U2#22.3 U2#23.3 U2#24.3 U2#25.3
VDD: C3.1 C3#2.1 C3#3.1 C3#4.1 C3#5.1 C3#6.1 C3#7.1 C3#8.1 C3#9.1 C3#10.1 C3#11.1 C3#12.1 C3#13.1 C3#14.1 C3#15.1 C3#16.1 C3#17.1 C3#18.1 C3#19.1 C3#20.1 C3#21.1 C3#22.1 C3#23.1 C3#24.1 C3#25.1 C4.1 C4#2.1 C4#3.1 C4#4.1 C4#5.1 C4#6.1 C4#7.1 C4#8.1 C4#9.1 C4#10.1 C4#11.1 C4#12.1 C4#13.1 C4#14.1 C4#15.1 C4#16.1 C4#17.1 C4#18.1 C4#19.1 C4#20.1 C4#21.1 C4#22.1 C4#23.1 C4#24.1 C4#25.1 JP1.2 JP1#2.2 JP1#3.2 JP1#4.2 JP1#5.2 JP1#6.2 JP1#7.2 JP1#8.2 JP1#9.2 JP1#10.2 JP1#11.2 JP1#12.2 JP1#13.2 JP1#14.2 JP1#15.2 JP1#16.2 JP1#17.2 JP1#18.2 JP1#19.2 JP1#20.2 JP1#21.2 JP1#22.2 JP1#23.2 JP1#24.2 JP1#25.2 R12.1 R12#2.1 R12#3.1 R12#4.1 R12#5.1 R12#6.1 R12#7.1 R12#8.1 R12#9.1 R12#10.1 R12#11.1 R12#12.1 R12#13.1 R12#14.1 R12#15.1 R12#16.1 R12#17.1 R12#18.1 R12#19.1 R12#20.1 R12#21.1 R12#22.1 R12#23.1 R12#24.1 R12#25.1 R13.1 R13#2.1 R13#3.1 R13#4.1 R13#5.1 R13#6.1 R13#7.1 R13#8.1 R13#9.1 R13#10.1 R13#11.1 R13#12.1 R13#13.1 R13#14.1 R13#15.1 R13#16.1 R13#17.1 R13#18.1 R13#19.1 R13#20.1 R13#21.1 R13#22.1 R13#23.1 R13#24.1 R13#25.1 R14.1 R14#2.1 R14#3.1 R14#4.1 R14#5.1 R14#6.1 R14#7.1 R14#8.1 R14#9.1 R14#10.1 R14#11.1 R14#12.1 R14#13.1 R14#14.1 R14#15.1 R14#16.1 R14#17.1 R14#18.1 R14#19.1 R14#20.1 R14#21.1 R14#22.1 R14#23.1 R14#24.1 R14#25.1 U1.16 U1#2.16 U1#3.16 U1#4.16 U1#5.16 U1#6.16 U1#7.16 U1#8.16 U1#9.16 U1#10.16 U1#11.16 U1#12.16 U1#13.16 U1#14.16 U1#15.16 U1#16.16 U1#17.16 U1#18.16 U1#19.16 U1#20.16 U1#21.16 U1#22.16 U1#23.16 U1#24.16 U1#25.16 U2.2 U2#2.2 U2#3.2 U2#4.2 U2#5.2 U2#6.2 U2#7.2 U2#8.2 U2#9.2 U2#10.2 U2#11.2 U2#12.2 U2#13.2 U2#14.2 U2#15.2 U2#16.2 U2#17.2 U2#18.2 U2#19.2 U2#20.2 U2#21.2 U2#22.2 U2#23.2 U2#24.2 U2#25.2
CC1: J1.A5 J1#2.A5 J1#3.A5 J1#4.A5 J1#5.A5 J1#6.A5 J1#7.A5 J1#8.A5 J1#9.A5 J1#10.A5 J1#11.A5 J1#12.A5 J1#13.A5 J1#14.A5 J1#15.A5 J1#16.A5 J1#17.A5 J1#18.A5 J1#19.A5 J1#20.A5 J1#21.A5 J1#22.A5 J1#23.A5 J1#24.A5 J1#25.A5 R1.2 R1#2.2 R1#3.2 R1#4.2 R1#5.2 R1#6.2 R1#7.2 R1#8.2 R1#9.2 R1#10.2 R1#11.2 R1#12.2 R1#13.2 R1#14.2 R1#15.2 R1#16.2 R1#17.2 R1#18.2 R1#19.2 R1#20.2 R1#21.2 R1#22.2 R1#23.2 R1#24.2 R1#25.2 U1.2 U1#2.2 U1#3.2 U1#4.2 U1#5.2 U1#6.2 U1#7.2 U1#8.2 U1#9.2 U1#10.2 U1#11.2 U1#12.2 U1#13.2 U1#14.2 U1#15.2 U1#16.2 U1#17.2 U1#18.2 U1#19.2 U1#20.2 U1#21.2 U1#22.2 U1#23.2 U1#24.2 U1#25.2
CC2: J1.B5 J1#2.B5 J1#3.B5 J1#4.B5 J1#5.B5 J1#6.B5 J1#7.B5 J1#8.B5 J1#9.B5 J1#10.B5 J1#11.B5 J1#12.B5 J1#13.B5 J1#14.B5 J1#15.B5 J1#16.B5 J1#17.B5 J1#18.B5 J1#19.B5 J1#20.B5 J1#21.B5 J1#22.B5 J1#23.B5 J1#24.B5 J1#25.B5 R2.2 R2#2.2 R2#3.2 R2#4.2 R2#5.2 R2#6.2 R2#7.2 R2#8.2 R2#9.2 R2#10.2 R2#11.2 R2#12.2 R2#13.2 R2#14.2 R2#15.2 R2#16.2 R2#17.2 R2#18.2 R2#19.2 R2#20.2 R2#21.2 R2#22.2 R2#23.2 R2#24.2 R2#25.2 U1.3 U1#2.3 U1#3.3 U1#4.3 U1#5.3 U1#6.3 U1#7.3 U1#8.3 U1#9.3 U1#10.3 U1#11.3 U1#12.3 U1#13.3 U1#14.3 U1#15.3 U1#16.3 U1#17.3 U1#18.3 U1#19.3 U1#20.3 U1#21.3 U1#22.3 U1#23.3 U1#24.3 U1#25.3
DM: R4.2 R4#2.2 R4#3.2 R4#4.2 R4#5.2 R4#6.2 R4#7.2 R4#8.2 R4#9.2 R4#10.2 R4#11.2 R4#12.2 R4#13.2 R4#14.2 R4#15.2 R4#16.2 R4#17.2 R4#18.2 R4#19.2 R4#20.2 R4#21.2 R4#22.2 R4#23.2 R4#24.2 R4#25.2 U1.17 U1#2.17 U1#3.17 U1#4.17 U1#5.17 U1#6.17 U1#7.17 U1#8.17 U1#9.17 U1#10.17 U1#11.17 U1#12.17 U1#13.17 U1#14.17 U1#15.17 U1#16.17 U1#17.17 U1#18.17 U1#19.17 U1#20.17 U1#21.17 U1#22.17 U1#23.17 U1#24.17 U1#25.17
DP: JP1.1 JP1#2.1 JP1#3.1 JP1#4.1 JP1#5.1 JP1#6.1 JP1#7.1 JP1#8.1 JP1#9.1 JP1#10.1 JP1#11.1 JP1#12.1 JP1#13.1 JP1#14.1 JP1#15.1 JP1#16.1 JP1#17.1 JP1#18.1 JP1#19.1 JP1#20.1 JP1#21.1 JP1#22.1 JP1#23.1 JP1#24.1 JP1#25.1 R3.2 R3#2.2 R3#3.2 R3#4.2 R3#5.2 R3#6.2 R3#7.2 R3#8.2 R3#9.2 R3#10.2 R3#11.2 R3#12.2 R3#13.2 R3#14.2 R3#15.2 R3#16.2 R3#17.2 R3#18.2 R3#19.2 R3#20.2 R3#21.2 R3#22.2 R3#23.2 R3#24.2 R3#25.2 U1.18 U1#2.18 U1#3.18 U1#4.18 U1#5.18 U1#6.18 U1#7.18 U1#8.18 U1#9.18 U1#10.18 U1#11.18 U1#12.18 U1#13.18 U1#14.18 U1#15.18 U1#16.18 U1#17.18 U1#18.18 U1#19.18 U1#20.18 U1#21.18 U1#22.18 U1#23.18 U1#24.18 U1#25.18